# Allegro board RK3588_Template_LP4XD200P232SD8_41R0X41R0_2133MHz_H1R6_V11_20220216.brd (continued)
## Routing (per net, layer and track width the routed paths; a pad name or vN(x,y) marks a point on that pad's centre or on a via; arc(x,y) is an arc through that point) (continued)
DDR_CH0_A0_B: length 21.1
  TOP w0.127: v1(73.41,47.5) 73.41,47.88 73.53,48.01 74.93,48.01 75.06,47.88 76.2,47.88 76.34,47.74 U3800.R2 ; U1000.M8 v1(63.01,48.68)
  BOTTOM w0.089: v1(63.01,48.68) 63.34,49 63.77,49 63.77,49 63.8,49 63.99,48.81 63.99,48.54 64.18,48.35 64.45,48.35 65.02,47.78 65.02,47.51 65.48,47.05 65.79,47.05 65.94,46.9 65.94,46.33
  BOTTOM w0.127: v1(73.41,47.5) 73.15,47.5 72.77,47.12 72.52,47.12 72.39,46.99 72.39,46.1 72.26,45.97 71.88,45.97 71.75,45.85 71.75,45.21 71.91,45.06 72.21,45.06 72.34,44.93 72.34,44.58 72.21,44.45 70.23,44.45 70.1,44.58 70.1,44.96 69.98,45.09 68.05,45.09 67.93,45.21 66.76,45.21 66.67,45.3 66.67,45.59 65.94,46.33
DDR_CH0_A1_A: length 20.7
  TOP w0.127: v1(74.55,51.56) 74.55,51.44 74.3,51.18 73.99,51.18 73.86,51.05 73.86,50.87 73.99,50.75 74.5,50.75 74.68,50.93 74.68,51.1 75.35,51.78 76.11,51.78 76.34,51.55 U3800.J2 ; U1000.T8 v1(63.01,51.28)
  L6-S2 w0.089: v1(63.01,51.28) 63.34,51.6 66.4,51.6 66.44,51.56 66.46,51.56 66.55,51.47 66.73,51.47
  L6-S2 w0.127: 66.73,51.47 67.04,51.16 67.51,51.16 67.79,51.44 68.17,51.44 68.45,51.16 68.83,51.16 69.11,51.44 69.49,51.44 69.77,51.16 70.15,51.16 70.43,51.44 70.81,51.44 71.09,51.16 71.48,51.16 71.75,51.44 72.14,51.44 72.42,51.16 74.73,51.16 75.08,51.51 75.62,51.51 75.74,51.64 75.74,51.87 75.56,52.04 75.16,52.04 74.68,51.56 v1(74.55,51.56)
DDR_CH0_A1_B: length 20.6
  TOP w0.127: U1000.M5 v1(64.32,48.68) ; U3800.P2 76.41,48.13 76.6,48.13 76.72,48.01 76.72,47.79 v1(76.73,47.79)
  BOTTOM w0.089: v1(64.31,48.68) 64.42,48.68 65.4,47.7 66.47,47.7
  BOTTOM w0.127: 66.47,47.7 66.74,47.43 66.74,46.04 67.18,45.59 70.01,45.59 70.12,45.7 70.12,46.24 70.23,46.36 70.48,46.36 70.61,46.23 70.61,45.09 70.74,44.96 71.12,44.96 71.25,45.09 71.25,46.36 71.37,46.48 71.75,46.48 71.88,46.61 71.88,47.24 72.72,48.08 74.8,48.08 75.13,47.75 76.15,47.75 76.27,47.88 76.27,48.01 76.4,48.13 76.58,48.13 76.71,48.01 76.71,47.81 v1(76.73,47.79)
DDR_CH0_A2_A: length 19.6
  TOP w0.127: v1(65.61,49.98) 65.29,50.3 U1000.P4 ; U3800.H9 81.97,52.1 v1(82.29,52.43)
  L6-S2 w0.089: v1(65.61,49.98) 65.94,50.3 67.03,50.3
  L6-S2 w0.127: 67.03,50.3 67.8,49.53 69.72,49.53 70.21,50.01 75.06,50.01 75.13,49.94 79.78,49.94 80.9,51.05 80.9,51.56 81.38,52.04 81.91,52.04 v1(82.29,52.43)
DDR_CH0_A2_B: length 19.8
  TOP w0.127: U1000.N5 v1(64.96,49.33) ; U3800.R9 v1(81.62,47.23)
  L6-S2 w0.089: v1(64.96,49.33) 65.29,49 65.68,49 65.69,48.99 65.74,48.99 65.92,48.81 65.92,48.76 66,48.68
  L6-S2 w0.127: 66,48.68 67.56,47.12 75.06,47.12 75.31,46.86 80.01,46.86 80.39,47.24 81.03,47.24 81.15,47.12 81.15,46.74 81.29,46.6 81.53,46.6 81.62,46.69 v1(81.62,47.23)
DDR_CH0_A3_A: length 20
  TOP w0.127: U3800.H10 v1(82.34,51.7) ; U1000.P5 v1(64.96,49.98)
  L6-S2 w0.089: v1(64.96,49.98) 65.29,49.66 65.48,49.66 65.48,49.65 65.75,49.65 65.75,49.66 66.13,49.66 66.13,49.65 66.4,49.65 66.4,49.66 67.13,49.66
  L6-S2 w0.127: 67.13,49.66 67.89,48.9 69.72,48.9 70.08,49.25 73.89,49.25 74.17,49.53 80.01,49.53 81.28,50.8 81.44,50.8 v1(82.34,51.7)
DDR_CH0_A3_B: length 20.2
  TOP w0.127: v1(65.61,49.33) 65.29,49.65 U1000.N4 ; v1(82.37,47.21) 82.4,47.21 U3800.R10
  L6-S2 w0.089: 66.32,49 66.13,49 65.94,49.19 65.94,49.2 65.81,49.33 v1(65.61,49.33)
  L6-S2 w0.127: v1(82.37,47.21) 82.35,47.21 81.95,47.61 81.95,48.01 81.92,48.03 81.75,48.21 80.59,48.21 79.76,47.37 79.02,47.37 78.68,47.7 78.68,47.94 78.49,48.12 76.45,48.12 75.95,47.62 74.93,47.62 74.55,48.01 68.21,48.01 68.11,47.9 67.41,47.9 66.32,49
DDR_CH0_A4_A: length 19.3
  TOP w0.127: v1(73.41,52.22) 73.41,51.56 73.28,51.44 73.28,50.98 73.15,50.85 69.06,50.85 68.96,50.95 67.24,50.95 U1000.R1 ; v1(83.1,51.77) 83.44,52.1 U3800.H11
  BOTTOM w0.127: v1(73.41,52.22) 73.41,52.58 74.19,53.37 75.72,53.37 75.77,53.42 76.25,53.42 76.43,53.24 76.43,52.88 76.62,52.69 77.28,52.69 77.77,52.2 79.25,52.2 79.4,52.04 82.83,52.04 v1(83.1,51.77)
DDR_CH0_A4_B: length 18
  TOP w0.127: U3800.R11 v1(83.88,47.89) ; U1000.K1 70.48,47.7 70.79,48.01 71.27,48.01 71.75,48.49 v1(71.78,48.49)
  L6-S2 w0.127: v1(83.88,47.89) 83.54,48.23 82.15,48.23 81.74,48.64 79.5,48.64 79.29,48.85 75.11,48.85 74.74,48.49 v1(71.78,48.49)
DDR_CH0_A5_A: length 20
  TOP w0.127: U1000.P2 66.59,50.3 66.91,50.62 68.13,50.62 v1(68.45,50.29) ; U3800.J11 v1(83.86,51.78)
  L6-S2 w0.127: v1(83.86,51.78) 83.47,52.17 82.98,52.17 82.64,52.52 82.64,52.57 82.43,52.78 82.22,52.78 82.22,52.78 81.43,52.78 80.24,51.59 80.24,51.23 79.35,50.34 75.62,50.34 75.56,50.39 69.82,50.39 69.41,49.98 68.77,49.98 v1(68.45,50.29)
DDR_CH0_A5_B: length 18
  TOP w0.127: v1(70.58,48.51) 70.07,48 67.43,48 67.41,48.03 66.92,48.03 U1000.L2 ; U3800.P11 v1(83.16,48.58)
  L6-S2 w0.127: v1(83.16,48.58) 82.99,48.58 82.42,49.15 74.42,49.15 74.14,48.87 70.94,48.87 v1(70.58,48.51)
DDR_CH0_CLKN_A: length 22.6
  TOP w0.102: U1000.N1 67.31,49.72 67.49,49.72 67.74,49.48 69.07,49.48 69.63,50.03 80.16,50.03 80.38,50.25 80.38,50.57 80.16,50.79 79.9,50.79 79.8,50.89 79.8,51.32 79.9,51.42 79.9,52.01 79.58,52.33 79.58,53.76 79.69,53.87 79.83,53.87 79.93,53.77 79.93,52.42 80.31,52.04 80.31,51.35 80.61,51.05 80.81,51.05 80.88,51.13 81.62,51.13 U3800.J9
DDR_CH0_CLKN_B: length 25.3
  TOP w0.102: U3800.P9 81.63,48.51 80.83,48.51 80.78,48.56 80.78,48.93 81.03,49.17 82.27,49.17 82.77,49.68 82.77,50.01 82.37,50.41 82.03,50.41 81.67,50.04 80.78,50.04 80.06,49.33 80.06,48.93 79.96,48.83 79.78,48.83 79.52,49.08 79.52,49.36 79.3,49.58 78.4,49.58 78.18,49.36 77.77,49.36 77.5,49.63 76.9,49.63 76.63,49.36 76.04,49.36 75.77,49.63 75.05,49.63 74.78,49.36 74.78,48.76 74.67,48.65 74.54,48.65 74.45,48.74 74.45,49.37 74.23,49.59 73.92,49.59 73.7,49.37 73.7,48.77 73.6,48.66 73.38,48.66 73.27,48.77 73.27,49.31 73.05,49.53 72.74,49.53 72.4,49.19 72.25,49.19 71.97,49.48 71.3,49.48 71.2,49.58 69.9,49.58 69.35,49.03 67.27,49.03 U1000.M1
DDR_CH0_CLKP_A: length 23.1
  TOP w0.102: U3800.J8 81.1,51.49 80.96,51.49 80.79,51.33 80.62,51.33 80.52,51.43 80.52,52.12 80.14,52.5 80.14,53.86 79.92,54.08 79.6,54.08 79.38,53.85 79.38,52.25 79.7,51.92 79.7,51.51 79.6,51.4 79.6,50.81 79.82,50.58 80.08,50.58 80.18,50.48 80.18,50.34 80.08,50.24 78.49,50.24 78.3,50.42 78.16,50.42 77.99,50.25 77.84,50.25 77.67,50.42 77.52,50.42 77.34,50.24 76.96,50.24 76.78,50.42 76.57,50.42 76.39,50.24 76.23,50.24 76.04,50.42 75.9,50.42 75.71,50.24 69.54,50.24 68.98,49.68 67.82,49.68 67.55,49.96 67.1,49.96 66.8,49.65 U1000.N2
DDR_CH0_CLKP_B: length 25.5
  TOP w0.102: U1000.M2 66.81,49 66.92,48.89 66.92,48.81 67.03,48.7 67.24,48.7 67.37,48.7 67.49,48.83 67.69,48.83 67.75,48.77 68.01,48.77 68.07,48.83 68.33,48.83 68.38,48.77 68.71,48.77 68.76,48.83 68.96,48.83 69.02,48.77 69.38,48.77 69.55,48.94 69.64,48.94 69.87,49.17 69.87,49.26 69.98,49.37 70.26,49.37 70.36,49.28 70.74,49.28 70.84,49.37 71.12,49.37 71.22,49.28 71.88,49.28 72.17,48.99 72.48,48.99 72.83,49.33 72.97,49.33 73.07,49.23 73.07,48.68 73.29,48.46 73.68,48.46 73.9,48.68 73.9,49.28 74,49.39 74.15,49.39 74.25,49.28 74.25,48.65 74.46,48.45 74.75,48.45 74.98,48.67 74.98,49.27 75.13,49.42 75.68,49.42 75.95,49.16 76.72,49.16 76.98,49.42 77.42,49.42 77.69,49.16 78.27,49.16 78.49,49.37 79.21,49.37 79.32,49.27 79.32,49 79.69,48.62 80.04,48.62 80.26,48.84 80.26,49.24 80.86,49.84 81.75,49.84 82.12,50.21 82.29,50.21 82.57,49.93 82.57,49.76 82.19,49.38 80.94,49.38 80.58,49.01 80.58,48.48 80.8,48.26 81.08,48.26 U3800.P8
DDR_CH0_DM0_A: length 13.8
  TOP w0.127: v1(65.61,53.88) 65.29,54.2 U1000.Y4 ; v1(76.71,55.63) 76.87,55.63 U3800.C3
  L6-S2 w0.089: v1(65.61,53.88) 65.94,53.55 66.46,53.55 66.62,53.39
  L6-S2 w0.127: v1(76.71,55.63) 76.58,55.5 73.04,55.5 70.25,52.71 67.31,52.71 66.62,53.39
DDR_CH0_DM0_B: length 13.7
  TOP w0.127: v1(74.78,44.07) 74.78,43.97 75.41,43.33 75.7,43.33 75.87,43.51 75.87,43.64 76.21,43.98 76.82,43.98 U3800.Y3 ; U1000.G4 v1(65.61,45.43)
  L6-S2 w0.089: v1(65.61,45.43) 65.95,45.77 66.43,45.77 66.62,45.57
  L6-S2 w0.127: v1(74.78,44.07) 73.66,44.07 72.67,45.06 71.15,45.06 70.74,45.47 66.73,45.47 66.62,45.57
DDR_CH0_DM1_A: length 25.3
  TOP w0.127: U1000.AB4 v1(65.61,55.83) ; U3800.C10 83.06,55.03 83.73,55.03 83.95,55.25 v1(83.95,55.63)
  L6-S2 w0.089: 66.95,56.29 66.82,56.15 65.94,56.15 v1(65.61,55.83)
  L6-S2 w0.127: v1(83.95,55.63) 83.92,55.65 83.92,58.32 82.8,59.44 71.52,59.44 70.9,58.82 69.38,57.29 69.38,57.16 68.51,56.29 66.95,56.29
DDR_CH0_DM1_B: length 22.5
  TOP w0.127: v1(64.96,44.13) 65.16,44.32 U1000.E4 ; U3800.Y10 82.4,43.96 v1(82.37,43.96)
  L6-S2 w0.089: 66.73,43.13 66.7,43.15 65.94,43.15 v1(64.96,44.13)
  L6-S2 w0.127: v1(82.37,43.96) 82.4,43.94 82.56,43.94 82.8,43.69 82.8,43.05 82.3,42.55 82.3,42.16 81,40.87 70.51,40.87 69.81,41.57 68.28,41.57 66.73,43.13
DDR_CH0_DQ0_A: length 18
  TOP w0.127: U1000.U1 70.46,52.25 70.61,52.4 70.61,52.62 70.74,52.74 70.95,52.74 71.37,53.16 71.37,53.81 71.04,54.14 71.04,54.32 71.38,54.66 71.56,54.66 71.79,54.42 72,54.42 72.12,54.55 72.12,54.73 71.94,54.91 71.94,55.22 72.38,55.66 72.53,55.66 72.72,55.47 72.87,55.47 72.99,55.59 72.99,55.74 72.8,55.93 72.8,56.08 73.1,56.38 73.28,56.38 73.41,56.25 73.41,55.55 73.53,55.42 73.73,55.42 73.86,55.55 73.86,56.52 73.99,56.64 74.17,56.64 74.3,56.52 74.3,55.98 74.42,55.85 74.78,55.85 74.9,55.98 74.9,56.16 74.75,56.31 74.75,56.64 74.88,56.77 75.06,56.77 75.18,56.64 75.18,56.46 75.31,56.33 75.82,56.33 75.95,56.21 75.95,55.88 76.05,55.78 76.23,55.78 76.34,55.89 U3800.B2
DDR_CH0_DQ0_B: length 16.8
  TOP w0.127: U1000.H1 70.27,46.4 71.25,45.42 71.25,44.36 73.41,42.2 73.41,41.65 74.21,40.84 76.66,40.84 77.22,41.4 77.22,41.91 76.96,42.16 76.58,42.16 76.45,42.29 76.07,42.29 75.95,42.42 75.95,43.18 76.34,43.57 U3800.AA2
DDR_CH0_DQ1_A: length 13.7
  TOP w0.127: v1(74.17,55.12) 74.4,55.35 74.9,55.35 75.23,55.67 75.67,55.67 75.96,55.38 76.31,55.38 U3800.C2 ; U1000.T2 66.59,51.6 66.91,51.93 70.82,51.93 v1(71.68,52.78)
  L6-S2 w0.127: v1(71.68,52.78) 71.38,52.78 71.25,52.91 71.25,53.09 71.92,53.76 72.07,53.76 72.21,53.62 72.37,53.62 72.48,53.73 72.48,53.89 72.34,54.03 72.34,54.18 72.46,54.3 72.61,54.3 72.75,54.16 72.91,54.16 73.02,54.27 73.02,54.43 72.88,54.56 72.88,54.72 73.25,55.09 74.14,55.09 v1(74.17,55.12)
DDR_CH0_DQ1_B: length 18.7
  TOP w0.127: U1000.J2 66.59,46.86 66.72,46.74 70.65,46.74 71.75,45.63 71.75,44.57 73.91,42.41 73.91,41.91 74.21,41.61 74.42,41.61 74.55,41.74 74.55,42.16 74.65,42.26 74.93,42.26 75.06,42.14 75.06,41.74 75.18,41.61 75.39,41.61 75.56,41.78 75.56,42.49 75.06,43 75.06,43.18 74.42,43.82 74.42,44.32 74.55,44.45 74.9,44.45 75.38,43.98 75.73,43.98 76.05,44.3 U3800.Y2
DDR_CH0_DQ2_A: length 18.8
  TOP w0.127: U1000.T1 67.26,51.58 71.14,51.58 71.37,51.82 72.01,51.82 72.14,51.94 72.14,52.45 72.46,52.78 73.53,52.78 73.66,52.91 73.66,53.09 73.53,53.21 73.15,53.21 72.9,53.47 72.01,53.47 71.88,53.59 71.88,53.77 72.01,53.9 72.44,53.9 72.64,54.1 72.64,54.84 72.77,54.97 72.95,54.97 73.08,54.84 73.08,54.23 73.2,54.1 73.66,54.1 73.91,54.36 73.91,54.51 74.02,54.61 74.24,54.61 74.37,54.48 74.37,53.34 74.5,53.21 74.68,53.21 74.8,53.34 74.8,54.36 75.03,54.58 75.18,54.58 75.39,54.38 76.21,54.38 76.34,54.25 U3800.E2
DDR_CH0_DQ2_B: length 17.5
  TOP w0.127: U1000.J1 71.05,47.05 72.52,45.59 72.52,45.21 72.33,45.02 72.33,44.72 74.28,42.76 74.46,42.76 74.59,42.89 74.59,43.14 73.91,43.82 73.91,44.45 73.79,44.58 73.28,44.58 73.03,44.83 73.03,45.21 73.28,45.47 73.91,45.47 74.17,45.21 74.42,45.21 74.55,45.09 74.55,44.96 74.65,44.86 74.83,44.86 75.26,45.28 75.69,45.28 75.79,45.18 75.97,45.18 76.07,45.28 76.21,45.28 76.34,45.41 U3800.V2
DDR_CH0_DQ3_A: length 15.1
  TOP w0.127: U3800.F2 v1(76.01,53.07) ; v1(72.75,51.92) 72.67,51.84 72.67,51.46 72.49,51.28 66.92,51.28 66.59,50.95 U1000.R2
  L6-S2 w0.127: v1(72.75,51.92) 72.82,51.84 73.56,51.84 73.79,52.07 74.68,52.07 75.16,52.55 75.46,52.55 76.17,51.84 76.17,51.66 76.35,51.49 76.99,51.49 77.09,51.59 77.09,51.99 77.29,52.2 77.29,52.55 77.15,52.69 76.62,52.69 76.27,53.04 76.03,53.04 v1(76.01,53.07)
DDR_CH0_DQ3_B: length 18.9
  TOP w0.127: U3800.U2 76.61,46.25 76.71,46.35 76.71,46.5 76.62,46.58 76.2,46.58 76.04,46.42 75.86,46.42 75.69,46.58 75.34,46.58 75.16,46.76 74.83,46.76 74.74,46.67 74.74,45.81 74.65,45.72 74.4,45.72 74.24,45.87 74.24,46.53 73.9,46.87 73.72,46.87 73.53,46.68 73.53,46.38 73.1,45.95 72.92,45.95 72.61,46.27 72.61,46.44 73.14,46.98 73.14,47.16 73,47.29 72.82,47.29 72.29,46.76 72.09,46.76 71.9,46.95 71.9,47.13 72.52,47.75 72.71,47.75 72.83,47.88 72.83,48.25 72.62,48.46 72.44,48.46 71.48,47.5 71,47.5 70.89,47.39 66.72,47.39 66.59,47.51 U1000.K2
DDR_CH0_DQ4_A: length 16.1
  TOP w0.127: U3800.F4 v1(77.62,53.73) ; U1000.W1 67.53,53.85 69.6,53.85 v1(70.03,54.28)
  L6-S2 w0.127: v1(70.03,54.28) 70.16,54.28 72.52,56.64 75.69,56.64 76.2,57.15 77.09,57.15 77.47,56.77 77.98,56.77 78.11,56.64 78.11,55.5 77.98,55.37 77.98,54.09 v1(77.62,53.73)
DDR_CH0_DQ4_B: length 13.4
  TOP w0.127: U1000.F1 68.3,45.1 v1(68.7,44.7) ; U3800.U4 v1(77.55,45.86)
  L6-S2 w0.127: v1(77.55,45.86) 77.22,45.53 77.22,44.58 76.91,44.27 76.28,44.27 75.69,43.69 73.41,43.69 72.52,44.58 70.99,44.58 70.48,45.09 68.83,45.09 68.7,44.95 v1(68.7,44.7)
DDR_CH0_DQ5_A: length 14.4
  TOP w0.127: v1(68.83,53.09) 68.83,53.21 68.58,53.47 67.61,53.47 67.38,53.23 66.92,53.23 U1000.V2 ; U3800.E4 v1(77.62,54.38)
  L6-S2 w0.127: v1(77.62,54.38) 77.22,54.78 77.22,55.75 76.99,55.98 76.43,55.98 76.33,55.88 72.84,55.88 70.17,53.21 68.96,53.21 v1(68.83,53.09)
DDR_CH0_DQ5_B: length 14.3
  TOP w0.127: U3800.V4 v1(77.59,45.26) ; v1(69.72,44.7) 69.72,44.73 69.02,45.44 66.91,45.44 U1000.G2
  L6-S2 w0.127: v1(69.72,44.7) 70.36,44.07 72.39,44.07 73.15,43.31 75.82,43.31 76.45,43.94 77.47,43.94 77.98,44.45 77.98,44.87 v1(77.59,45.26)
DDR_CH0_DQ6_A: length 13.1
  TOP w0.127: v1(77.63,55.66) U3800.C4 ; U1000.V1 67.69,52.9 67.82,53.03 v1(67.82,53.09)
  L6-S2 w0.127: v1(77.63,55.66) 77.22,56.08 77.22,56.52 77.04,56.69 76.38,56.69 75.95,56.26 72.68,56.26 70.14,53.72 68.43,53.72 67.82,53.11 v1(67.82,53.09)
DDR_CH0_DQ6_B: length 21
  TOP w0.127: U3800.Y4 78.26,43.98 78.91,43.98 79.12,44.2 79.5,44.2 79.63,44.07 79.63,41.4 79.5,41.28 78.53,41.28 77.08,39.83 73.79,39.83 72.34,41.28 72.34,41.83 70.23,43.94 70.23,44.96 69.44,45.75 U1000.G1
DDR_CH0_DQ7_A: length 18.6
  TOP w0.127: U1000.U2 66.59,52.45 66.72,52.57 68.96,52.57 69.21,52.83 69.47,52.83 69.67,52.63 70,52.63 70.13,52.76 70.13,52.94 69.81,53.25 69.81,53.43 69.98,53.59 70.1,53.59 70.46,53.24 70.71,53.24 70.84,53.37 70.84,53.62 70.48,53.98 70.48,54.48 73.15,57.15 76.07,57.15 76.2,57.28 76.2,57.53 76.33,57.66 76.58,57.66 76.76,57.48 77.03,57.48 77.22,57.66 78.23,57.66 78.36,57.53 78.36,56.42 U3800.B4
DDR_CH0_DQ7_B: length 18.8
  TOP w0.127: U3800.AA4 78.14,43.65 78.36,43.43 78.36,42.94 78.99,42.3 78.99,41.91 78.87,41.78 78.32,41.78 76.87,40.34 74,40.34 72.85,41.49 72.85,42.04 70.74,44.15 70.74,45.21 69.86,46.09 66.91,46.09 U1000.H2
DDR_CH0_DQ8_A: length 27.7
  TOP w0.127: U3800.B11 83.54,56.21 83.67,56.34 84.71,56.34 84.84,56.46 84.84,56.9 84.71,57.02 83.72,57.02 83.59,57.15 83.59,57.35 83.72,57.48 84.33,57.48 84.45,57.61 84.45,57.77 84.31,57.91 83.49,57.91 83.36,58.04 83.36,58.29 83.49,58.42 83.97,58.42 84.09,58.55 84.09,59.29 83.95,59.44 83.79,59.44 83.67,59.32 83.67,59.03 83.56,58.92 83.4,58.92 83.29,59.03 83.29,59.21 83.07,59.44 73.28,59.44 70.1,56.26 68.96,56.26 68.53,55.83 66.91,55.83 U1000.AB2
DDR_CH0_DQ8_B: length 27.8
  TOP w0.127: U3800.AA11 83.13,43.24 83.13,42.6 83.31,42.42 84.07,42.42 84.2,42.29 84.2,42.04 84.07,41.91 83.31,41.91 83.19,41.78 83.19,41.52 83.3,41.4 84.07,41.4 84.2,41.28 84.2,40.13 83.82,39.75 79.16,39.75 77.13,37.72 73.74,37.72 70.82,40.65 70.82,41.2 68.53,43.48 66.91,43.48 66.59,43.8 U1000.D2
DDR_CH0_DQ9_A: length 26.4
  TOP w0.127: U3800.C11 83.26,55.35 83.08,55.53 83.08,55.71 83.13,55.75 83.13,56.72 82.93,56.92 82.93,57.28 82.8,57.4 82.55,57.4 82.42,57.53 82.42,57.71 82.55,57.84 82.8,57.84 82.93,57.96 82.93,58.17 82.8,58.29 82.48,58.29 82.35,58.42 82.35,58.85 82.22,58.98 82.04,58.98 81.91,58.85 81.91,58.07 81.79,57.94 81.61,57.94 81.48,58.07 81.48,58.78 81.33,58.93 80.59,58.93 80.48,58.82 80.48,58.53 80.36,58.42 80.21,58.42 80.1,58.53 80.1,58.82 79.98,58.93 79.83,58.93 79.71,58.82 79.71,58.53 79.6,58.42 79.44,58.42 79.33,58.53 79.33,58.82 79.22,58.93 79.06,58.93 78.95,58.82 78.95,58.53 78.84,58.42 78.68,58.42 78.57,58.53 78.57,58.82 78.46,58.93 78.3,58.93 78.19,58.82 78.19,58.53 78.08,58.42 77.92,58.42 77.81,58.53 77.81,58.82 77.7,58.93 73.49,58.93 70.44,55.88 69.09,55.88 68.71,55.5 67.24,55.5 U1000.AB1
DDR_CH0_DQ9_B: length 26.6
  TOP w0.127: U3800.Y11 83.89,43.95 83.89,43.56 84.12,43.33 84.58,43.33 84.71,43.21 84.71,39.75 84.2,39.24 79.38,39.24 77.34,37.21 73.53,37.21 70.31,40.44 70.31,40.97 68.12,43.15 67.24,43.15 U1000.C1
DDR_CH0_DQ10_A: length 26.3
  TOP w0.089: 84.58,58.55 84.58,58.55
  TOP w0.127: 84.58,58.55 84.58,59.69 84.33,59.94 73.15,59.94 69.85,56.64 68.96,56.64 68.47,56.15 67.24,56.15 U1000.AC1 ; U3800.E11 83.82,54.05 83.95,54.18 83.95,54.86 84.11,55.03 85,55.03 85.22,55.25 85.22,57.91 84.58,58.55
DDR_CH0_DQ10_B: length 22.5
  TOP w0.127: U3800.V11 83.55,45.6 v1(83.89,45.26) ; v1(69.62,41.02) 67.82,42.82 67.13,42.82 66.79,43.15 U1000.C2
  L6-S2 w0.127: v1(69.62,41.02) 70.15,40.49 81.36,40.49 84.21,43.34 84.21,44.94 v1(83.89,45.26)
DDR_CH0_DQ11_A: length 25.6
  TOP w0.127: U1000.AC2 66.92,56.49 67.59,56.49 67.69,56.38 67.99,56.38 68.35,56.74 v1(68.47,56.74) ; U3800.F11 v1(83.83,53.69)
  L6-S2 w0.127: v1(83.83,53.69) 83.83,54.75 84.3,55.22 84.3,58.7 83.08,59.92 71.48,59.92 68.47,56.92 v1(68.47,56.74)
DDR_CH0_DQ11_B: length 24.2
  TOP w0.127: U3800.U11 v1(83.86,46.58) ; U1000.B1 68.59,41.15 v1(68.59,41.02)
  L6-S2 w0.127: v1(83.86,46.58) 84.33,46.12 84.33,45.59 85.01,44.91 85.01,43.6 81.52,40.11 69.51,40.11 v1(68.59,41.02)
DDR_CH0_DQ12_A: length 22.3
  TOP w0.127: v1(67.77,54.2) 67.24,54.2 U1000.Y1 ; v1(82.3,53.77) U3800.F9
  L6-S2 w0.089: 68.05,54.56 67.77,54.28 v1(67.77,54.2)
  L6-S2 w0.127: 68.05,54.56 68.61,55.12 69.92,55.12 72.2,57.4 75.31,57.4 75.82,57.91 80.26,57.91 80.39,57.79 80.39,57.36 80.28,57.25 79.99,57.25 79.88,57.13 79.88,56.98 79.99,56.86 80.28,56.86 80.39,56.75 80.39,56.6 80.28,56.48 79.99,56.48 79.88,56.37 79.88,56.21 79.99,56.1 80.28,56.1 80.39,55.99 80.39,54.74 80.52,54.61 81.03,54.61 81.15,54.48 81.15,54.23 81.28,54.1 81.97,54.1 v1(82.3,53.77)
DDR_CH0_DQ12_B: length 22.1
  TOP w0.127: v1(66.92,44.78) 66.59,45.1 U1000.F2 ; U3800.U9 v1(82.26,45.93)
  L6-S2 w0.127: v1(66.92,44.78) 68.74,42.95 70.08,42.95 70.48,42.55 75.65,42.55 75.95,42.24 77.04,42.24 77.22,42.42 77.55,42.42 77.72,42.24 78.22,42.24 78.35,42.37 78.35,42.62 78.46,42.73 78.62,42.73 78.73,42.62 78.73,42.37 78.86,42.24 79.58,42.24 80.26,42.93 80.26,43.22 80.14,43.35 79.61,43.35 79.5,43.46 79.5,43.62 79.61,43.73 80.03,43.73 80.14,43.84 80.14,44.96 80.43,45.25 81.06,45.25 81.41,45.59 81.93,45.59 v1(82.26,45.93)
DDR_CH0_DQ13_A: length 22.7
  TOP w0.127: v1(81.64,53.75) U3800.E9 ; U1000.Y2 66.83,54.45 66.92,54.53 67.44,54.53 67.54,54.64 68.45,54.64 v1(68.82,54.26)
  L6-S2 w0.127: v1(68.82,54.26) 68.82,54.29 69.27,54.74 70.07,54.74 72.36,57.02 75.56,57.02 76.07,57.53 79.02,57.53 79.5,57.05 79.5,55.55 79.61,55.44 79.9,55.44 80.01,55.32 80.01,55.17 79.9,55.06 79.61,55.06 79.5,54.94 79.5,53.09 79.63,52.96 80.26,52.96 80.39,53.09 80.39,53.47 80.52,53.59 81.48,53.59 v1(81.64,53.75)
DDR_CH0_DQ13_B: length 21.2
  TOP w0.127: U3800.V9 v1(81.59,45.95) ; U1000.E1 67.47,44.45 v1(67.67,44.66)
  L6-S2 w0.127: v1(67.67,44.66) 69,43.33 69.3,43.33 69.41,43.44 69.41,43.83 69.52,43.94 69.68,43.94 69.79,43.83 69.79,43.44 69.91,43.33 70.33,43.33 70.74,42.93 70.87,42.93 70.98,43.04 70.98,43.58 71.09,43.69 71.25,43.69 71.36,43.58 71.36,43.04 71.47,42.93 71.63,42.93 71.74,43.04 71.74,43.58 71.85,43.69 72.01,43.69 72.12,43.58 72.12,43.04 72.23,42.93 75.95,42.93 76.61,43.59 77.75,43.59 78.36,44.2 79.25,44.2 79.5,44.45 79.5,45.85 79.63,45.97 81.57,45.97 v1(81.59,45.95)
DDR_CH0_DQ14_A: length 26.4
  TOP w0.127: U3800.C9 81.62,55.68 80.39,55.68 80.26,55.55 80.26,54.86 80.14,54.74 79.86,54.74 79.73,54.86 79.73,56.02 79.84,56.13 80.28,56.13 80.39,56.24 80.39,56.4 80.28,56.51 79.84,56.51 79.73,56.62 79.73,57 79.88,57.15 80.24,57.15 80.34,57.25 80.34,57.91 80.21,58.04 79.19,58.04 79.08,57.93 79.08,57.52 78.97,57.4 78.81,57.4 78.7,57.52 78.7,57.93 78.59,58.04 77.6,58.04 77.22,58.42 75.97,58.42 75.86,58.31 75.86,57.77 75.75,57.66 75.59,57.66 75.48,57.77 75.48,58.31 75.36,58.42 75.21,58.42 75.09,58.31 75.09,57.77 74.98,57.66 74.83,57.66 74.71,57.77 74.71,58.31 74.6,58.42 74.3,58.42 74.17,58.29 74.17,57.99 73.96,57.79 73.07,57.79 70.02,54.74 68.85,54.74 68.71,54.88 67.27,54.88 U1000.AA1
DDR_CH0_DQ14_B: length 29.1
  TOP w0.127: U3800.Y9 81.61,43.98 80.93,43.98 80.77,43.82 80.26,43.82 80.14,43.69 80.14,42.29 80.26,42.16 80.85,42.16 80.98,42.04 80.98,41.78 80.85,41.66 80.26,41.66 80.16,41.56 80.16,41.38 80.26,41.28 82.04,41.28 82.17,41.15 82.17,40.89 82.04,40.77 78.74,40.77 76.71,38.73 76.14,38.73 76.03,38.85 76.03,39.21 75.91,39.32 75.76,39.32 75.64,39.21 75.64,38.85 75.53,38.73 75.37,38.73 75.26,38.85 75.26,39.21 75.15,39.32 74.99,39.32 74.88,39.21 74.88,38.85 74.77,38.73 74.16,38.73 71.83,41.07 71.83,41.62 69.32,44.13 66.91,44.13 66.59,44.45 U1000.E2
DDR_CH0_DQ15_A: length 21.7
  TOP w0.127: v1(69.76,55.5) 69.38,55.12 68.89,55.12 68.83,55.18 66.91,55.18 66.59,54.85 U1000.AA2 ; U3800.B9 81.71,56.24 v1(81.61,56.24)
  L6-S2 w0.127: v1(81.61,56.24) 81.31,56.24 81.18,56.36 81.18,56.67 81.29,56.78 81.42,56.78 81.53,56.89 81.53,57.05 81.42,57.16 81.29,57.16 81.18,57.27 81.18,57.82 81.03,57.98 80.81,57.98 80.48,58.31 75.2,58.31 75.08,58.19 75.08,57.9 74.97,57.79 74.81,57.79 74.7,57.9 74.7,58.19 74.59,58.31 74.43,58.31 74.32,58.19 74.32,57.9 74.21,57.79 74.05,57.79 73.94,57.9 73.94,58.19 73.83,58.31 73.6,58.31 73.49,58.19 73.49,57.9 73.38,57.79 73.22,57.79 73.11,57.9 73.11,58.19 73,58.31 72.84,58.31 72.73,58.19 72.73,57.9 72.62,57.79 72.46,57.79 72.34,57.9 72.16,57.9 v1(69.76,55.5)
DDR_CH0_DQ15_B: length 25.6
  TOP w0.127: U1000.D1 67.24,43.8 68.93,43.8 71.32,41.41 71.32,40.86 73.95,38.23 76.92,38.23 78.95,40.26 83.57,40.26 83.69,40.39 83.69,40.77 83.57,40.89 82.8,40.89 82.68,41.02 82.68,41.82 82.55,41.95 82.21,41.95 82.04,41.78 81.66,41.78 81.5,41.94 81.5,43.4 81.75,43.65 U3800.AA9
DDR_CH0_DQS0N_A: length 15.6
  TOP w0.102: v1(65.61,51.93) 65.29,52.25 U1000.U4 ; U3800.E3 76.79,53.71 v1(76.79,53.7)
  L6-S2 w0.097: v1(65.61,51.93) 65.49,51.93 65.39,52.03 65.39,52.17 65.54,52.32 66.57,52.32 66.94,51.96 71.95,51.96 72.83,52.84 72.83,53.11 72.99,53.27 73.2,53.27 73.3,53.17 73.3,53.05 73.52,52.83 73.99,52.83 74.42,53.26 74.42,53.85 74.3,53.98 74.3,54.18 74.39,54.28 75.86,54.28 76.22,53.92 76.69,53.92 76.79,53.82 v1(76.79,53.7)
DDR_CH0_DQS0N_B: length 16.9
  TOP w0.102: v1(76.76,45.28) 77.09,45.6 U3800.V3 ; U1000.J7 v1(63.66,46.73)
  L6-S2 w0.097: v1(63.66,46.73) 63.54,46.73 63.44,46.63 63.44,46.48 63.62,46.3 64.33,46.3 64.43,46.4 64.85,46.4 64.9,46.36 67.88,46.36 67.89,46.36 68.04,46.36 68.17,46.48 68.73,46.48 68.83,46.38 69.21,46.38 69.31,46.48 69.85,46.48 69.95,46.38 70.22,46.38 70.32,46.48 70.87,46.48 70.97,46.38 71.37,46.38 71.49,46.51 72.04,46.51 72.26,46.29 72.26,46.11 72.36,46 72.53,46 72.63,46.11 72.63,46.29 72.85,46.51 73.16,46.51 73.41,46.26 73.41,45.69 73.51,45.59 74.04,45.59 74.09,45.64 74.61,45.64 74.86,45.39 76.06,45.39 76.42,45.03 76.59,45.03 76.76,45.2 v1(76.76,45.28)
DDR_CH0_DQS0P_A: length 15.9
  TOP w0.102: U3800.D3 76.79,54.36 v1(76.79,54.35) ; U1000.U5 v1(64.96,51.93)
  L6-S2 w0.097: v1(64.96,51.93) 65.09,51.93 65.19,52.03 65.19,52.26 65.46,52.53 66.66,52.53 67.02,52.16 71.86,52.16 72.63,52.92 72.63,53.2 72.91,53.48 73.28,53.48 73.5,53.26 73.5,53.14 73.61,53.04 73.91,53.04 74.22,53.35 74.22,53.76 74.09,53.89 74.09,54.27 74.31,54.48 75.95,54.48 76.31,54.12 76.69,54.12 76.79,54.22 v1(76.79,54.35)
DDR_CH0_DQS0P_B: length 17.2
  TOP w0.102: v1(63.01,46.73) U1000.J8 ; v1(76.76,44.63) 77.09,44.95 U3800.W3
  L6-S2 w0.097: v1(63.01,46.73) 63.14,46.73 63.24,46.63 63.24,46.4 63.54,46.1 64.42,46.1 64.51,46.19 64.77,46.19 64.81,46.15 67.96,46.15 67.97,46.16 68.13,46.16 68.25,46.28 68.65,46.28 68.75,46.18 69.29,46.18 69.39,46.28 69.77,46.28 69.87,46.18 70.31,46.18 70.41,46.28 70.78,46.28 70.88,46.18 71.45,46.18 71.58,46.3 71.96,46.3 72.06,46.2 72.06,46.02 72.28,45.8 72.61,45.8 72.83,46.02 72.83,46.2 72.93,46.3 73.08,46.3 73.2,46.18 73.2,45.61 73.42,45.39 74.13,45.39 74.18,45.44 74.52,45.44 74.78,45.19 75.97,45.19 76.34,44.82 76.57,44.82 v1(76.76,44.63)
DDR_CH0_DQS1N_A: length 24.6
  TOP w0.102: v1(65.61,55.18) 65.29,54.85 U1000.AA4 ; U3800.E10 v1(82.39,54.4)
  L6-S2 w0.097: v1(65.61,55.18) 65.53,55.1 65.53,54.84 65.63,54.74 66.29,54.74 67.34,55.78 68.64,55.78 69.68,56.82 69.86,56.82 70.05,57.01 71.97,58.93 81.39,58.93 83.04,57.27 83.04,54.81 82.72,54.48 82.48,54.48 v1(82.39,54.4)
DDR_CH0_DQS1N_B: length 25.1
  TOP w0.102: U1000.F4 65.29,45.1 v1(65.61,44.78) ; v1(83.06,45.28) U3800.V10
  L6-S2 w0.097: v1(65.61,44.78) 65.49,44.78 65.39,44.68 65.39,44.53 65.78,44.15 66.76,44.15 68.44,42.46 69.89,42.46 70.32,42.04 70.83,42.04 71.04,41.83 71.04,41.59 71.13,41.5 71.26,41.5 71.35,41.59 71.35,41.83 71.56,42.04 71.85,42.04 72.06,41.83 72.06,41.59 72.15,41.5 72.27,41.5 72.36,41.59 72.36,41.83 72.57,42.04 72.87,42.04 73.07,41.83 73.07,41.59 73.16,41.5 73.29,41.5 73.38,41.59 73.38,41.83 73.59,42.04 74.25,42.04 74.54,41.75 74.68,41.75 74.85,41.91 75.47,41.91 75.57,41.81 76.79,41.81 76.94,41.66 77.44,41.66 77.59,41.81 80.64,41.81 80.78,41.95 80.78,42.3 81.36,42.88 81.36,44.4 81.97,45.01 82.79,45.01 v1(83.06,45.28)